# Allegro board SG2042_EVB_V2_0.brd (continued)
## Placement (name value [footprint] x y rotation side) (continued)
R2579  10R_1%  [R0402]  122.48 85.09 90 top
R2580  100K_1%_NC  [R0402]  120.75 85.09 90 top
R2582  100R_1%  [R0402]  132.28 82.19 270 top
R2583  0R_1%  [R0402]  122.48 83.03 270 top
R2584  1K_1%  [R0402]  121.18 82.6 180 top
R2585  10K_1%  [R0402]  121.62 85.09 90 top
R2586  13K_1%_NC  [R0402]  121.59 81.31 90 top
R2587  0R_1%  [R0402]  118.14 46.66 90 top
R2588  0R_1%  [R0402]  119 46.66 90 top
R12453  0R_1%  [R0402]  25.73 171.17 180 top
R12454  0R_1%  [R0402]  25.73 168.94 180 top
R12455  0R_1%  [R0402]  25.73 170.31 180 top
R12456  0R_1%  [R0402]  25.73 168.07 180 top
R12484  10R_1%  [R0402]  223.57 142.9 270 top
R12485  100K_1%_NC  [R0402]  225.3 142.9 270 top
R12486  100R_1%  [R0402]  213.79 145.8 90 top
R12487  0R_1%  [R0402]  223.57 144.96 90 top
R12488  1K_1%  [R0402]  224.87 145.39 0 top
R12489  10K_1%  [R0402]  224.43 142.9 270 top
R12490  13K_1%_NC  [R0402]  224.46 146.69 270 top
R12491  0R_1%  [R0402]  162.74 91.49 180 top
R12492  0R_1%  [R0402]  131.67 89.46 0 top
R12493  12.1K_1%  [R0402]  139.04 91.82 270 bottom
R12494  12.1K_1%  [R0402]  152.65 79.81 90 bottom
R12495  22  [R0402]  134.24 62.2 0 top
R12496  0R_1%  [R0402]  135.28 94.64 180 top
R12497  22  [R0402]  134.24 60.93 0 top
R12498  0R_1%  [R0402]  135.28 95.5 180 top
R12499  22  [R0402]  143.23 59.66 0 top
R12500  22  [R0402]  143.23 58.39 0 top
R12501  4.7K_1%  [R0402]  161.44 91.08 270 top
R12502  22  [R0402]  132.54 60.93 180 top
R12503  0R_1%  [R0402]  156.03 94.06 90 top
R12504  0R_1%  [R0402]  156.9 94.06 90 top
R12505  1K  [R0402]  138.61 90.55 0 bottom
R12506  4.7K_1%  [R0402]  161.44 89.05 90 top
R12507  1.3K_1%  [R0402]  156.9 95.76 270 top
R12508  1.3K_1%  [R0402]  156.03 95.76 270 top
R12509  10K_1%  [R0402]  142.8 60.93 270 top
R12510  100K_1%  [R0402]  132.54 59.21 0 top
R12512  100K_1%  [R0402]  144.93 60.53 0 top
R12513  100K_1%  [R0402]  160.12 86.79 0 top
R12514  10K_1%  [R0402]  134.24 59.66 0 top
R12517  100K_1%  [R0402]  133.6 72.77 180 top
R12518  100K_1%  [R0402]  131.52 72.77 180 top
R12519  10K_1%  [R0402]  143.66 60.93 90 top
R12521  0R_1%  [R0402]  132.54 60.07 180 top
R12522  1K  [R0402]  131.27 60.5 90 top
R12523  1K  [R0402]  131.52 71.91 180 top
R12524  1K  [R0402]  133.6 71.91 180 top
R12526  1K  [R0402]  160.12 85.93 0 top
R12527  1K  [R0402]  144.93 59.66 0 top
R12531  0R_1%  [R0402]  57.56 108.56 270 top
R12536  0R_1%  [R0402]  57.56 67.92 270 top
R12539  0R_1%  [R0402]  56.39 47.6 270 top
R12552  0R_1%  [R0402]  220.88 78.79 270 top
R12553  0R_1%  [R0603]  216.38 72.42 0 top
R12554  1K_1%  [R0402]  220.01 78.79 270 top
R12555  4.7K_1%  [R0402]  221.28 76.63 180 top
R12556  4.7K_1%  [R0402]  221.28 77.5 0 top
R12557  4.7K_1%  [R0402]  222.53 81.18 0 top
R12558  4.7K_1%  [R0402]  224.97 77.09 0 top
R12559  150K_1%  [R0402]  238.56 93.09 90 top
R12560  4.7K_1%  [R0402]  237.06 97.49 270 top
R12561  22  [R0402]  224.97 76.23 180 top
R12562  12.1K_1%  [R0402]  222.3 65.96 270 top
R12564  12.1K_1%  [R0402]  227.43 74.6 0 top
R12568  4.7K_1%  [R0402]  164.08 45.77 180 top
R12569  4.7K_1%  [R0402]  164.08 44.91 180 top
R12570  4.7K_1%  [R0402]  164.08 44.04 180 top
R12571  4.7K_1%  [R0402]  164.08 42.32 180 top
R12572  22  [R0402]  164.08 41.45 180 top
R12573  22  [R0402]  164.08 40.59 180 top
R12574  240R_1%  [R0402]  162.08 27.48 180 top
R12577  0R_1%  [R0402]  164.08 43.18 180 top
R12578  100K_1%  [R0402]  20.57 149.28 90 top
R12579  4.7K_1%  [R0402]  30.38 140.59 180 top
R12580  4.7K_1%  [R0402]  19.81 143.13 0 top
R12581  4.7K_1%  [R0402]  30.38 139.32 180 top
R12584  0R_1%  [R0402]  21.44 155.73 270 top
R12585  4.7K_1%  [R0402]  22 145.31 90 top
R12586  4.7K_1%  [R0402]  23.72 145.31 90 top
R12587  4.7K_1%  [R0402]  22.86 145.31 90 top
R12588  4.7K_1%  [R0402]  24.59 145.31 90 top
R12589  22  [R0402]  20.27 145.31 90 top
R12590  22  [R0402]  21.13 145.31 90 top
R12591  22  [R0402]  19.25 145.31 90 top
R12592  4.7K_1%  [R0402]  19.81 141.86 180 top
R12593  10K_1%  [R0402]  19.81 140.59 180 top
R12594  1.6K_1%  [R0402]  30.02 145.82 90 top
R12595  4.7K_1%  [R0402]  25.45 145.31 90 top
R12596  4.7K_1%  [R0402]  27.18 145.31 90 top
R12597  4.7K_1%  [R0402]  26.31 145.31 90 top
R12598  4.7K_1%  [R0402]  28.04 145.31 90 top
R12599  22  [R0402]  29.59 144.53 0 top
R12600  0R_1%  [R0402]  19.79 210.41 180 top
R12601  0R_1%  [R0402]  26.59 210.41 180 bottom
R12602  0R_1%  [R0402]  19.79 211.28 180 top
R12603  0R_1%  [R0402]  26.59 211.28 180 bottom
R12604  0R_1%  [R0402]  19.79 216.41 180 top
R12605  0R_1%  [R0402]  26.59 216.41 180 bottom
R12606  0R_1%  [R0402]  19.79 217.27 180 top
R12607  0R_1%  [R0402]  26.59 217.27 180 bottom
R12608  0R_1%  [R0402]  20.52 214.27 180 top
R12609  0R_1%  [R0402]  27.33 213.41 180 bottom
R12610  0R_1%  [R0402]  20.52 213.41 180 top
R12611  0R_1%  [R0402]  27.33 214.27 180 bottom
R12612  FUSE-2A  [R0805]  22.91 221.18 180 top
R12613  FUSE-2A  [R0805]  22.91 225.48 180 top
R12614  100K_1%  [R0402]  29.46 219.71 270 top
R12615  100K_1%  [R0402]  29.46 224 270 top
R12616  6.8K_1%  [R0402]  23.7 219.3 180 top
R12617  6.8K_1%  [R0402]  23.7 223.6 180 top
R12662  100K_1%_NC  [R0402]  183.01 68.68 0 top
R12663  1K_1%  [R0402]  180.39 67.82 180 top
R12664  10K_1%  [R0402]  177.98 75.9 180 top
R12665  4.7K_1%  [R0402]  181.28 68.68 0 top
R12666  15K_1%  [R0402]  181.69 67.39 270 top
R12667  0R_1%  [R0402]  178.56 67.39 90 top
R12668  10K_1%  [R0402]  183.01 67.82 180 top
R12669  5.6K_1%  [R0402]  177.7 67.39 90 top
R12670  10R_1%  [R0402]  212.67 75.41 0 top
R12671  100K_1%_NC  [R0402]  212.67 77.14 0 top
R12672  100R_1%  [R0402]  209.8 65.61 180 top
R12673  0R_1%  [R0402]  210.62 75.41 180 top
R12674  1K_1%  [R0402]  210.19 76.71 90 top
R12675  10K_1%  [R0402]  212.67 76.28 0 top
R12676  13K_1%_NC  [R0402]  208.89 76.3 0 top
R12677  10K_1%  [R0402]  134.75 38.66 0 bottom
R12678  0R_1%  [R0402]  134.75 38.66 0 top
R12679  4.7K_1%  [R0402]  110.44 67.64 0 bottom
R12680  4.7K_1%  [R0402]  110.44 68.5 0 bottom
R12681  4.7K_1%  [R0402]  110.44 65.91 0 bottom
R12682  4.7K_1%  [R0402]  110.44 66.78 0 bottom
R12683  4.7K_1%  [R0402]  110.44 64.19 0 bottom
R12684  4.7K_1%  [R0402]  110.44 65.05 0 bottom
R12685  4.7K_1%  [R0402]  113.89 62.46 90 bottom
R12686  4.7K_1%  [R0402]  113.03 62.46 90 bottom
R12687  4.7K_1%  [R0402]  115.62 62.46 90 bottom
R12688  4.7K_1%  [R0402]  114.76 62.46 90 bottom
R12689  4.7K_1%  [R0402]  118.21 64.19 180 bottom
R12690  4.7K_1%  [R0402]  118.21 63.32 180 bottom
R12691  4.7K_1%  [R0402]  118.21 65.91 180 bottom
R12692  4.7K_1%  [R0402]  118.21 65.05 180 bottom
R12693  4.7K_1%  [R0402]  118.21 67.64 180 bottom
R12694  4.7K_1%  [R0402]  118.21 66.78 180 bottom
R12695  4.7K_1%  [R0402]  118.21 68.5 180 top
R12696  4.7K_1%  [R0402]  113.46 70.23 270 top
R12697  4.7K_1%  [R0402]  111.73 70.23 90 top
R12698  4.7K_1%  [R0402]  116.05 70.23 90 top
R12699  4.7K_1%  [R0402]  115.19 70.23 90 top
R12700  22  [R0402]  110.44 67.64 180 top
R12701  22  [R0402]  110.44 68.5 180 top
R12702  22  [R0402]  110.44 65.91 180 top
R12703  22  [R0402]  110.44 66.78 180 top
R12704  22  [R0402]  110.44 64.19 180 top
R12705  22  [R0402]  110.44 65.05 180 top
R12706  22  [R0402]  113.89 62.46 270 top
R12707  22  [R0402]  113.03 62.46 270 top
R12708  22  [R0402]  115.62 62.46 270 top
R12709  22  [R0402]  114.76 62.46 270 top
R12710  22  [R0402]  118.21 64.19 0 top
R12711  22  [R0402]  118.21 63.32 0 top
R12712  22  [R0402]  118.21 65.91 0 top
R12713  22  [R0402]  118.21 65.05 0 top
R12714  22  [R0402]  118.21 67.64 0 top
R12715  22  [R0402]  118.21 66.78 0 top
R12716  22  [R0402]  11.53 160.3 0 top
R12717  22  [R0402]  11.53 161.16 0 top
R12718  100K_1%  [R0402]  133.6 73.89 180 top
R12719  100K_1%  [R0402]  129.44 72.77 180 top
R12720  100K_1%  [R0402]  129.44 73.89 180 top
R12721  1K  [R0402]  129.44 74.75 180 top
R12722  1K  [R0402]  133.6 74.75 180 top
R12723  1K  [R0402]  129.44 71.91 180 top
R12724  4.7K_1%  [R0402]  226.87 97.49 270 top
R12725  150K_1%  [R0402]  228.37 93.09 90 top
R12727  10K_1%  [R0402]  226.52 295.33 180 top
R12728  10K_1%  [R0402]  226.39 289.99 180 top
R12730  1K_1%  [R0402]  226.39 290.86 0 top
R12731  10K_1%  [R0402]  204.6 12.85 0 top
R12732  10K_1%  [R0402]  204.72 18.19 0 top
R12733  1K_1%  [R0402]  204.72 17.32 180 top
R12734  10K_1%  [R0402]  182.8 12.85 0 top
R12735  10K_1%  [R0402]  182.93 18.19 0 top
R12736  1K_1%  [R0402]  182.93 17.32 180 top
R12737  10K_1%  [R0402]  223.93 289.99 0 top
R12738  10K_1%  [R0402]  224.05 295.33 0 top
R12739  1K_1%  [R0402]  224.05 294.46 180 top
R12740  10K_1%  [R0402]  207.19 18.19 180 top
R12741  10K_1%  [R0402]  207.06 12.85 180 top
R12742  1K_1%  [R0402]  207.06 13.72 0 top
R12743  10K_1%  [R0402]  185.39 18.19 180 top
R12744  10K_1%  [R0402]  185.27 12.85 180 top
R12745  1K_1%  [R0402]  185.27 13.72 0 top
R12746  4.7K_1%  [R0402]  122.43 24.61 90 bottom
R12747  200R_1%  [R0402]  117.91 11.3 180 top
R12750  4.7K_1%  [R0402]  123.29 24.61 90 bottom
R12751  200R_1%  [R0402]  121.31 11.3 180 top
R12754  4.7K_1%  [R0402]  124.16 24.61 90 bottom
R12755  200R_1%  [R0402]  124.71 11.3 180 top
R12758  4.7K_1%  [R0402]  125.02 24.61 90 bottom
R12759  200R_1%  [R0402]  128.12 11.3 180 top
R12760  4.7K_1%  [R0402]  114.63 11.3 180 top
R12761  4.7K_1%  [R0402]  107.82 11.3 180 top
R12762  4.7K_1%  [R0402]  111.23 11.3 180 top
R12763  4.7K_1%  [R0402]  104.42 11.3 180 top
R12764  200R_1%  [R0402]  115.57 15.77 0 top
R12765  200R_1%  [R0402]  108.76 15.77 0 top
R12766  200R_1%  [R0402]  112.17 15.77 0 top
R12767  200R_1%  [R0402]  105.36 15.77 0 top
R12768  4.7K_1%  [R0402]  117.91 12.17 0 top
R12769  4.7K_1%  [R0402]  121.31 12.17 0 top
R12770  4.7K_1%  [R0402]  124.71 12.17 0 top
R12771  4.7K_1%  [R0402]  128.12 12.17 0 top
R12784  0R_1%  [R0402]  19.79 192.51 180 top
R12785  0R_1%  [R0402]  26.59 192.51 180 bottom
R12786  0R_1%  [R0402]  19.79 193.37 180 top
R12787  0R_1%  [R0402]  26.59 193.37 180 bottom
R12788  0R_1%  [R0402]  19.79 198.5 180 top
R12789  0R_1%  [R0402]  26.59 198.53 180 bottom
R12790  0R_1%  [R0402]  19.79 199.36 180 top
R12791  0R_1%  [R0402]  26.59 199.39 180 bottom
R12792  0R_1%  [R0402]  20.52 196.39 180 top
R12793  0R_1%  [R0402]  27.33 195.53 180 bottom
R12794  0R_1%  [R0402]  20.52 195.53 180 top
R12795  0R_1%  [R0402]  27.33 196.39 180 bottom
R12796  FUSE-2A  [R0805]  22.91 203.28 180 top
R12797  FUSE-2A  [R0805]  22.91 207.57 180 top
R12798  100K_1%  [R0402]  29.46 201.8 270 top
R12799  100K_1%  [R0402]  29.46 206.1 270 top
R12800  6.8K_1%  [R0402]  23.7 201.4 180 top
R12801  6.8K_1%  [R0402]  23.7 205.69 180 top
R12807  100K_1%  [R0402]  214.58 159.74 90 top
R12808  4.7K_1%  [R0402]  224.26 151.05 180 top
R12809  4.7K_1%  [R0402]  213.69 153.59 0 top
R12810  4.7K_1%  [R0402]  224.26 149.78 180 top
R12815  4.7K_1%  [R0402]  216 155.78 90 top
R12816  0R_1%  [R0402]  215.44 166.19 270 top
R12817  4.7K_1%  [R0402]  217.73 155.78 90 top
R12818  4.7K_1%  [R0402]  216.87 155.78 90 top
R12819  4.7K_1%  [R0402]  218.59 155.78 90 top
R12820  22  [R0402]  214.27 155.78 90 top
R12822  22  [R0402]  215.14 155.78 90 top
R12823  22  [R0402]  213.26 155.78 90 top
R12825  4.7K_1%  [R0402]  213.69 152.32 180 top
R12826  10K_1%  [R0402]  213.69 151.05 180 top
R12827  1.6K_1%  [R0402]  224.03 156.29 90 top
R12828  4.7K_1%  [R0402]  219.46 155.78 90 top
R12829  4.7K_1%  [R0402]  221.18 155.78 90 top
R12830  4.7K_1%  [R0402]  220.32 155.78 90 top
R12831  4.7K_1%  [R0402]  222.05 155.78 90 top
R12832  22  [R0402]  223.6 154.99 0 top
R12833  FUSE-2A  [R0805]  229.03 149.05 90 top
R12834  100K_1%  [R0402]  227.56 142.49 180 top
R12835  6.8K_1%  [R0402]  227.15 148.26 90 top
R12836  0R_1%  [R0402]  194.54 194.16 180 top
R12837  0R_1%  [R0402]  195.96 174.04 180 top
R12838  0_NC  [R0402]  196.67 177.9 90 top
R12839  10K_1%_NC  [R0402]  195.81 182.17 270 top
R12840  5.36K  [R0402]  197.1 179.17 0 top
R12841  10K_1%  [R0402]  195.81 178.77 90 top
R12842  10K_1%  [R0402]  195.81 180.47 270 top
R12843  68K 1%  [R0402]  196.22 175.77 0 top
R12844  2.49K  [R0402]  197.51 175.34 270 top
R12845  0R_1%  [R0402]  45.03 194.16 180 top
R12846  10K_1%_NC  [R0402]  187.2 192.1 0 top
R12847  4.7K_1%  [R0402]  187.2 191.24 180 top
R12848  10R_1%  [R0402]  186.77 193.37 270 top
R12849  30K_1%  [R0402]  197.1 190.8 0 top
R12850  75K_1%  [R0402]  195.81 190.35 90 top
R12851  180K_1%  [R0402]  196.24 189.08 0 top
R12852  10K_1%_NC  [R0402]  195.81 186.94 270 top
R12853  0R_1%  [R0402]  194.94 186.94 270 top
R12854  0R_1%  [R0402]  187.63 189.94 270 top
R12855  10K_1%  [R0402]  186.77 188.24 270 top
R12856  15K_1%  [R0402]  196.24 188.21 180 top
R12857  10K_1%_NC  [R0402]  187.63 188.24 270 top
R12858  4.7K_1%  [R0402]  37.69 191.24 180 top
R12859  10K_1%_NC  [R0402]  37.69 192.1 0 top
R12860  0R_1%  [R0402]  47.68 174.04 180 top
R12861  30K_1%  [R0402]  47.6 190.8 0 top
R12862  10R_1%  [R0402]  37.26 193.37 270 top
R12863  75K_1%  [R0402]  46.3 190.35 90 top
R12864  0_NC  [R0402]  48.39 177.9 90 top
R12865  10K_1%_NC  [R0402]  47.52 182.17 270 top
R12866  5.36K  [R0402]  48.82 179.17 0 top
R12867  180K_1%  [R0402]  46.74 189.08 0 top
R12868  10K_1%_NC  [R0402]  46.3 186.94 270 top
R12869  10K_1%  [R0402]  47.52 178.77 90 top
R12870  0R_1%  [R0402]  45.44 186.94 270 top
R12871  0R_1%  [R0402]  38.13 189.94 270 top
R12872  10K_1%  [R0402]  37.26 188.24 270 top
R12873  15K_1%  [R0402]  46.74 188.21 180 top
R12874  10K_1%_NC  [R0402]  38.13 188.24 270 top
R12875  10K_1%  [R0402]  48.82 181.74 0 top
R12876  10K_1%  [R0402]  47.52 180.47 270 top
R12877  68K 1%  [R0402]  47.93 175.77 0 top
R12878  2.49K  [R0402]  49.23 175.34 270 top
R12879  49.9R_1%_NC  [R0402]  60.96 108.18 180 top
R12880  49.9R_1%_NC  [R0402]  59.26 108.18 0 top
R12881  49.9R_1%_NC  [R0402]  60.96 67.54 180 top
R12882  49.9R_1%_NC  [R0402]  59.26 67.54 0 top
R12885  49.9R_1%_NC  [R0402]  60.96 47.22 180 top
R12886  49.9R_1%_NC  [R0402]  59.26 47.22 0 top
R12887  49.9R_1%_NC  [R0402]  151.26 45.26 90 top
R12888  49.9R_1%_NC  [R0402]  151.26 46.96 270 top
R12905  0R_1%  [R0402]  159.72 89.05 270 top
R12906  49.9R_1%_NC  [R0402]  229.01 66.85 180 top
R12907  49.9R_1%_NC  [R0402]  227.3 66.85 0 top
R12908  49.9R_1%_NC  [R0402]  19.43 153.92 90 top
R12909  49.9R_1%_NC  [R0402]  19.43 155.63 270 top
R12910  49.9R_1%_NC  [R0402]  213.21 164.62 90 top
R12911  49.9R_1%_NC  [R0402]  213.21 166.32 270 top
R12912  100K_1%_NC  [R0402]  217.4 203.71 90 top
R12913  1K_1%  [R0402]  218.26 201.09 270 top
R12914  10K_1%  [R0402]  210.19 198.68 270 top
R12915  4.7K_1%  [R0402]  217.4 201.98 90 top
R12916  15K_1%  [R0402]  218.69 202.39 0 top
R12917  0R_1%  [R0402]  218.69 199.26 180 top
R12918  10K_1%  [R0402]  218.26 203.71 270 top
R12919  5.6K_1%  [R0402]  218.69 198.4 180 top
R12920  22  [R0402]  42.98 254.94 90 bottom
R12921  22  [R0402]  42.11 254.94 90 bottom
R12922  10K_1%  [R0402]  19.89 115.37 90 top
R12923  0R_1%  [R0402]  112.7 34.32 0 top
R12924  0R_1%  [R0402]  112.7 33.45 0 top
R12925  10K_1%  [R0402]  45.87 142.19 180 top
R12926  10K_1%  [R0402]  45.75 136.86 180 top
R12927  1K_1%  [R0402]  45.75 137.72 0 top
R12928  10K_1%  [R0402]  43.28 136.86 0 top
R12929  10K_1%_NC  [R0402]  43.41 142.19 0 top
R12930  1K_1%  [R0402]  43.41 141.33 180 top
R12931  0R_1%  [R0402]  59.68 68.82 270 top
R12932  0R_1%  [R0402]  59.68 109.46 270 top
R12934  0R_1%  [R0402]  60.54 68.82 270 top
R12935  0R_1%  [R0402]  227.72 65.57 90 top
R12936  0R_1%  [R0402]  228.59 65.57 90 top
R12937  0R_1%  [R0402]  59.68 48.5 270 top
R12938  0R_1%  [R0402]  60.54 109.46 270 top
R12939  0R_1%  [R0402]  60.54 48.5 270 top
R12943  0R_1%  [R0402]  144.89 46.55 0 top
R12944  0R_1%  [R0402]  144.89 45.68 0 top
R12945  0R_1%  [R0402]  186.41 89.61 90 top
R12946  0R_1%  [R0402]  185.55 89.61 90 top
R12947  1K  [R0402]  37.41 282.98 0 top
R12948  1K  [R0402]  152.55 287.71 180 top
R12949  1K  [R0402]  36.98 276.53 270 top
R12950  1K  [R0402]  37.41 282.12 0 top
R12951  240R_1%  [R0402]  199.11 96.85 0 top
R12952  22R_1%  [R0402]  196.6 88.27 0 top
R12953  0R_1%  [R0402]  199.11 92.05 0 top
R12954  4.7K_1% NC  [R0402]  181.03 112.06 90 top
R12955  470R  [R0402]  181.53 106.1 0 bottom
R12956  0R_1%  [R0402]  200.13 106.5 0 top
R12957  4.7K_1%  [R0402]  200.13 105.64 180 top
R12958  10K_1%  [R0402]  194.77 104.65 90 bottom
R12959  402ohm  [R0402]  176.66 92.43 180 top
R12960  402ohm  [R0402]  182.68 89.61 270 top
R12961  10K_1%  [R0402]  195.63 104.65 270 bottom
R12962  4.7K_1%  [R0402]  200.84 98.17 270 top
R12963  4.7K_1%  [R0402]  200.84 99.9 90 top
R12964  4.7K_1%  [R0402]  204.29 99.9 90 top
R12965  4.7K_1%  [R0402]  204.29 98.17 270 top
R12966  4.7K_1%  [R0402]  199.11 101.24 0 top
R12967  4.7K_1% NC  [R0402]  199.11 100.38 0 top
R12968  604R_1%  [R0402]  187.66 89.61 270 top
R12969  82R_1%  [R0402]  187.66 87.91 270 top
R12970  82R_1%  [R0402]  187.66 86.21 270 top
R12971  0R_1%  [R0402]  186.69 105.56 90 bottom
R12972  4.7K_1%  [R0402]  199.11 97.71 0 top
R12973  0R_1%  [R0402]  187.55 107.37 270 bottom
R12974  4.7K_1%  [R0402]  181.89 112.06 90 top
R12975  0R_1%  [R0402]  188.85 78.51 180 top
R12976  4.7K_1%  [R0402]  182.75 112.06 270 top
R12977  10R_1%  [R0402]  215.09 98.96 270 top
R12978  100K_1%_NC  [R0402]  216.81 98.96 270 top
R12979  75K_1%  [R0402]  215.09 101.02 90 top
R12980  40.2K_1%  [R0402]  216.38 101.45 0 top
R12981  10K_1%  [R0402]  215.95 98.96 270 top
R12982  13K_1%  [R0402]  215.98 102.74 270 top
R12983  10R_1%  [R0402]  178 81.64 90 top
R12984  100K_1%_NC  [R0402]  176.28 81.64 90 top
R12985  75K_1%  [R0402]  178 79.58 270 top
R12986  40.2K_1%  [R0402]  176.71 79.15 180 top
R12987  10K_1%  [R0402]  177.14 81.64 90 top
R12988  13K_1%  [R0402]  177.11 77.85 90 top
R12989  10R_1%  [R0402]  168.68 110.21 0 top
R12990  100K_1%_NC  [R0402]  168.68 111.94 0 top
R12991  75K_1%  [R0402]  166.62 110.21 180 top
R12992  40.2K_1%  [R0402]  166.19 111.51 90 top
R12993  10K_1%  [R0402]  168.68 111.07 0 top
R12994  13K_1%  [R0402]  164.9 111.1 0 top
R12995  0R_1%  [R0402]  118.87 24.61 90 top
R12996  0R_1%  [R0402]  119.74 24.61 90 top
R12997  0R_1%  [R0402]  120.6 24.61 90 top
R12998  4.7K_1%  [R0402]  192.91 119.68 90 top
R12999  22  [R0402]  195.4 115.98 180 top
R13000  22  [R0402]  195.86 114.71 90 top
R13001  22  [R0402]  195 114.71 90 top
R13002  22  [R0402]  194.13 114.71 90 top
R13003  22  [R0402]  193.27 114.71 90 top
R13004  22  [R0402]  191.9 112.06 90 top
R13005  22  [R0402]  191.03 112.06 90 top
R13006  22  [R0402]  190.3 114.02 90 top
R13007  22  [R0402]  189.43 114.02 90 top
R13008  22  [R0402]  188.7 112.06 90 top
R13009  22  [R0402]  187.83 112.06 90 top
R13010  22  [R0402]  187.1 114.02 90 top
R13011  22  [R0402]  186.23 114.02 90 top
R13012  8.07K  [R0402]  195 112.06 90 top
R13013  8.07K  [R0402]  194.13 112.06 90 top
R13014  8.07K  [R0402]  195.86 112.06 90 top
R13015  8.07K  [R0402]  193.27 112.06 90 top
R13016  FUSE-2A  [R0805]  25.93 189.46 180 top
R13017  100K_1%  [R0402]  32.49 187.99 270 top
R13018  6.8K_1%  [R0402]  26.72 187.58 180 top
R13019  FUSE-2A  [R0805]  25.93 180.87 180 top
R13020  100K_1%  [R0402]  32.49 179.4 270 top
R13021  6.8K_1%  [R0402]  26.72 178.99 180 top
R13022  FUSE-2A  [R0805]  25.93 185.17 180 top
R13023  100K_1%  [R0402]  32.49 183.69 270 top
R13024  6.8K_1%  [R0402]  26.72 183.29 180 top
R13025  0R_1%  [R0402]  211.92 165.9 0 top
R13026  0R_1%  [R0402]  211.92 165.04 0 top
R13027  0R_1%  [R0402]  18.15 155.21 0 top
R13028  0R_1%  [R0402]  18.15 154.34 0 top
R13029  0R_1%  [R0402]  134.75 30.02 0 top
R13030  100K_1%  [R0402]  161.75 87.2 270 top
R13031  1K  [R0402]  162.61 87.2 270 top
SATA_P1  HF0804E  [CON-THD4-102X58-FAN]  239.19 77.42 90 top
SATA_P2  HF0804E  [CON-THD4-102X58-FAN]  239.19 64.24 90 top
SM768_GPIO1  40MIL NC  [TP40]  207.42 106.43 0 top
SM768_RXD1  40MIL NC  [TP40]  207.42 92.38 0 top
SM768_TXD1  40MIL NC  [TP40]  207.42 90.86 0 top
SMCL1  -  [TP30]  218.95 79.17 270 top
SW201  SW KEY-SPST  [SW2-050-150X105-H141]  236.37 183.16 90 top
SW202  DSHP06TSGER  [SW-6BI]  202.41 127.99 90 top
T1  G2405CG  [SOP24-50-1218-062]  14.4 257.43 180 top
T2  T_VMON_P  [TP30]  149.78 284.68 0 top
T3  T_VMON_N  [TP30]  148.74 284.68 0 top
T4  T_PWR_BUTTON  [TP30]  189.33 278.66 0 top
T5  T_SYS_RST_X  [TP30]  222.53 176.91 270 top
T6  EMMC_PWR_EN  [TP30]  211.23 280.82 0 top
T7  SDIO_RST_X  [TP30]  19.84 286.03 0 top
T8  EMMC_CLK  [TP30]  211.23 275.44 0 top
T9  PIN6  [TP30]  183.95 237.06 0 top
T10  PIN1  [TP30]  138.25 209.55 180 bottom
T11  PIN2  [TP30]  137.25 204.55 180 bottom
T12  PIN3  [TP30]  137.25 205.55 180 bottom
T13  PIN4  [TP30]  137.25 209.55 180 bottom
T14  PIN5  [TP30]  137.25 208.55 180 bottom
T15  PIN7  [TP30]  183.95 238.28 0 top
T16  PIN10  [TP30]  137.25 233.55 180 bottom
T17  PIN11  [TP30]  137.25 234.55 180 bottom
T18  PIN12  [TP30]  137.25 235.55 180 bottom
T19  PIN13  [TP30]  137.25 237.55 180 bottom
T20  PIN14  [TP30]  138.25 237.55 180 bottom
T21  PIN8  [TP30]  49.56 237.06 0 top
T22  PIN15  [TP30]  95.25 209.55 180 bottom
T23  PIN16  [TP30]  96.25 204.55 180 bottom
T24  PIN17  [TP30]  96.25 205.55 180 bottom
T25  PIN18  [TP30]  96.25 209.55 180 bottom
T26  PIN19  [TP30]  96.25 208.55 180 bottom
T27  PIN9  [TP30]  49.56 238.28 0 top
T28  PIN20  [TP30]  96.25 233.55 180 bottom
T29  PIN21  [TP30]  96.25 234.55 180 bottom
T30  PIN22  [TP30]  96.25 235.55 180 bottom
T31  PIN23  [TP30]  96.25 237.55 180 bottom
T32  PIN24  [TP30]  95.25 237.55 180 bottom
T33  PIN43  [TP30]  151.1 287.71 0 top
T34  PIN26  [TP30]  152.12 286.08 0 top
T35  PIN51  [TP30]  37.82 281.13 0 top
T36  PIN50  [TP30]  37.82 283.97 0 top
T37  PIN25  [TP30]  153.14 286.08 0 top
T38  PIN27  [TP30]  151.1 286.08 0 top
T39  PIN28  [TP30]  84.76 284.68 0 top
T43  test1  [TP30]  26.57 263.7 0 top
T51  T_3.3V_AUX  [TP30]  212.17 220.93 270 top
T53  T_VDD_PLL_0V8  [TP30]  120.75 164.74 270 top
T57  T_VDD_PCIE_H_1V8  [TP30]  126.95 159.28 270 top
T58  T_VDDIO18  [TP30]  219.46 256.08 0 top
T59  T_VDDIO33  [TP30]  219.43 262.71 0 top
T62  DDR23_VTT_0V6  [TP30]  43.43 219.23 0 top
T63  DDR01_VTT_0V6  [TP30]  192.74 219.23 0 top
T75  T_3.3V_AUX  [TP30]  28.3 115.04 180 top
T77  T_VDD_PLL_0V8  [TP30]  130.05 84.76 180 top
T78  T_VDD_PLL_0V8  [TP30]  216 143.23 0 top
T79  TP100  [TP30]  45.62 250.22 180 top
T80  TP100  [TP30]  45.62 260.38 180 top
T81  TP100  [TP30]  45.62 254.28 180 top
T82  TP100  [TP30]  45.62 258.34 180 top
T83  TP100  [TP30]  45.62 252.25 180 top
T84  TP100  [TP30]  45.62 256.31 180 top
T85  TP100  [TP30]  45.62 263.42 180 top
T86  TP100  [TP30]  45.62 273.58 180 top
T87  TP100  [TP30]  45.62 265.46 180 top
T88  TP100  [TP30]  45.62 267.49 180 top
T89  TP100  [TP30]  45.62 271.55 180 top
T90  TP100  [TP30]  45.62 269.52 180 top
T91  PIN46  [TP30]  221.67 229.84 0 top
T92  T_VDD_PLL_0V8  [TP30]  212.34 67.84 90 top
T93  PIN47  [TP30]  222.5 231.8 0 top
T94  DDR01_VPP_2V5  [TP30]  165.23 72.19 0 top
T97  test1  [TP30]  31.6 287.05 0 top
T98  DDR01_VPP_2V5  [TP30]  213.89 184.73 0 top
T99  T_VDDIO33  [TP30]  207.52 99.29 0 top
T100  T_VDDIO33  [TP30]  185.57 81.31 180 top
T101  T_VDDIO33  [TP30]  168.35 102.64 90 top
T102  T_VDDIO33  [TP30]  187.76 120.5 0 top
T103  T_VDDIO33  [TP30]  187.17 121.49 0 top
T104  T_VDDIO33  [TP30]  191.97 120.5 0 top
T105  T_VDDIO33  [TP30]  190.96 120.5 0 top
T106  T_VDDIO33  [TP30]  190.37 121.49 0 top
T107  T_VDDIO33  [TP30]  189.36 121.49 0 top
T108  T_VDDIO33  [TP30]  188.77 120.5 0 top
T109  T_VDDIO33  [TP30]  186.16 121.49 0 top
TP30  MCU_NRST  [TP30]  137.72 28.35 180 bottom
TP31  MCU_SWDIO  [TP30]  137.72 30.89 180 bottom
TP32  MCU_SWCLK  [TP30]  137.72 33.43 180 bottom
TP33  GND  [TP30]  137.72 35.97 180 bottom
TP34  T_VDD_MCU  [TP30]  137.72 25.81 180 bottom
TP35  -  [TP60]  20.42 157.68 0 top
TP36  -  [TP60]  22.45 157.68 0 top
TP37  -  [TP60]  19.02 149.28 0 top
TP38  -  [TP60]  213.03 159.74 0 top
TP39  -  [TP60]  216.46 168.15 0 top
TP40  -  [TP60]  214.43 168.15 0 top
TP41  30MIL NC  [TP30]  168.35 92.86 0 top
TP42  30MIL NC  [TP30]  168.35 113.74 0 top
TP43  30MIL NC  [TP30]  207.42 93.9 0 top
TP44  30MIL NC  [TP30]  207.42 96.95 0 top
TP45  30MIL NC  [TP30]  207.42 94.92 0 top
TP46  30MIL NC  [TP30]  207.42 95.94 0 top
U1  SG2042-0822  [BGA3044-100-5757]  116.75 221.05 0 top
U2  THGBMHG8C2LBAIL  [VFBGA153]  218.95 277.14 0 top
U5  dio7299  [BGA4-20-0202]  21.56 278.49 0 top
U7  RTL8211FD-CG  [QFN40-040-5050]  29.59 267.56 0 top
U11  CT7451  [DFN8-050-2020]  132.08 23.85 90 top
U12  NXS0108PW  [TXS0108E]  220.75 127.99 180 top
U13  dio7299  [BGA4-20-0202]  116.54 173.53 180 top
U14  NXS0108PW  [TXS0108E]  220.75 109.5 180 top
U17  LMK00338RTAT  [WQFN40-050-6161]  108.13 109.91 180 top
U19  MP1653GTF  [SOT563-6-H06]  121.56 158.88 180 top
U28  MP1653GTF  [SOT563-6-H06]  127.76 153.42 180 top
U29  IS6606  [QFN21-040-3040-H009]  191.64 176.73 180 top
U31  MP1653GTF  [SOT563-6-H06]  225.3 256.9 270 top
U47  SQ24335DBD  [DFN10-050-3030-H075B]  192.2 226.39 90 top
U56  SQ24335DBD  [DFN10-050-3030-H075B]  42.82 226.39 90 top
U60  SQ29020VDC  [DFN19-050-3040-H075]  114.99 149.15 0 top
U202  ISL68127IRAZ-T  [QFN48-040-6060B]  200.28 295.94 180 top
U805  CP2102  [QFN-28_CP2102]  16 160.99 0 top
U806  NXS0108PW  [TXS0108E]  195.99 236.83 90 top
U807  NXS0108PW  [TXS0108E]  209.55 239.32 0 top
U808  MP1653GTF  [SOT563-6-H06]  212.98 215.09 180 top
U813  GD25LB512MEYIGR  [DFN8-127-8060-H008]  207.24 256.79 270 top
U814  NXS0108PW  [TXS0108E]  39.95 237.69 180 top
U816  MP1653GTF  [SOT563-6-H06]  225.3 263.52 270 top
U2001  DS1307ZN+  [SOP8-127-4050]  20.6 65.53 0 top
U2003  NXS0108PW  [TXS0108E]  39.95 251.87 180 top
U2004  TP199A2T-CR  [SOT363-6]  225.43 229.62 90 top
U2005  TP199A2T-CR  [SOT363-6]  225.15 233.25 0 top
U2006  NXS0108PW  [TXS0108E]  212.17 127.99 180 top
U2009  GD32E503VCT6  [QFP100-050-160X160]  123.72 35.64 270 top
U2010  NXS0108PW  [TXS0108E]  72.47 151.87 0 top
U2018  NXS0108PW  [TXS0108E]  212.17 109.5 180 top
U2019  MP1653GTF  [SOT563-6-H06]  22.45 114.22 90 top
U2027  MP1653GTF  [SOT563-6-H06]  124.18 83.95 90 top
U3234  MP1653GTF  [SOT563-6-H06]  221.87 144.04 270 top
U3235  ASMx812  [BGA492-080-210X210]  146.86 81.81 270 top
U3236  GD25Q40CSIG  [SOP8-127-5062]  138.71 60.3 270 top
U3237  ASM1061  [QFN48-050-0707-H009]  222.3 71.15 270 top
U3238  GD25Q40CSIG  [SOP8-127-5279]  227.91 80.54 270 top
U3239  SGM2534A  [DFN10-050-3030-H008]  236.32 94.11 270 top
U3241  uPD720201  [QFN68-040-8080-H090]  27.03 151.79 0 top
U3242  GD25Q40CSIG  [SOP8-127-5279]  25.1 141.22 270 top
U3243  SY6280AAAC  [SOT23-5]  26.37 220.24 270 top
U3244  SY6280AAAC  [SOT23-5]  26.37 224.54 270 top
U3251  SQ29020VDC  [DFN19-050-3040-H075]  179.55 71.86 90 top
U3252  MP1653GTF  [SOT563-6-H06]  211.53 73.71 0 top
U3253  PCA9848  [QFN24-050-4040-H010]  114.33 66.34 0 top
U3254  SGM2534A  [DFN10-050-3030-H008]  226.14 94.11 270 top
U3256  SY6280AAAC  [SOT23-5]  26.37 202.34 270 top
U3257  SY6280AAAC  [SOT23-5]  26.37 206.63 270 top
U3259  uPD720201  [QFN68-040-8080-H090]  221.03 162.26 0 top
U3260  GD25Q40CSIG  [SOP8-127-5279]  218.97 151.69 270 top
U3261  SY6280AAAC  [SOT23-5]  228.09 145.59 180 top
U3262  ISL99360FRZ-T  [QFN32-050-5050-H080]  91.16 296.77 0 top
U3263  ISL99360FRZ-T  [QFN32-050-5050-H080]  101.4 296.77 0 top
U3264  ISL99360FRZ-T  [QFN32-050-5050-H080]  111.63 296.77 0 top
U3265  ISL99360FRZ-T  [QFN32-050-5050-H080]  121.87 296.77 0 top
U3266  ISL99360FRZ-T  [QFN32-050-5050-H080]  132.11 296.77 0 top
U3267  ISL99360FRZ-T  [QFN32-050-5050-H080]  142.34 296.77 0 top
U3268  ISL99360FRZ-T  [QFN32-050-5050-H080]  103.99 144.3 180 top
U3269  MP8796B  [QFN25-040-4050-H008]  191.49 191.03 270 top
U3270  MP8796B  [QFN25-040-4050-H008]  41.99 191.03 270 top
U3271  IS6606  [QFN21-040-3040-H009]  43.36 176.73 180 top
U3272  SQ29020VDC  [DFN19-050-3040-H075]  214.22 200.25 180 top
U3273  SM768_AB_final  [BGA425-080-190X190-H014]  187.88 100.84 180 top
U3274  NXS0102DC  [SOP8-050-3120-H010]  202.56 99.03 180 top
U3275  GD25Q40CSIG  [SOP8-127-5279]  194.23 79.15 270 top
U3276  MP1653GTF  [SOT563-6-H06]  213.39 100.1 270 top
U3277  MP1653GTF  [SOT563-6-H06]  179.71 80.49 90 top
U3278  MP1653GTF  [SOT563-6-H06]  167.54 108.51 0 top
U3279  SY6280AAAC  [SOT23-5]  29.39 188.52 270 top
U3280  SY6280AAAC  [SOT23-5]  29.39 179.93 270 top
U3281  SY6280AAAC  [SOT23-5]  29.39 184.23 270 top
UNK68127_SCL  30MIL NC  [TP30]  192.25 297.79 0 top
UNK68127_SDA  30MIL NC  [TP30]  192.25 295.76 0 top
X1  SIT1602BI-22-18E-25  [X4-3225-H1_2MM]  113.82 262.74 270 top
X2  SIT1602BI-22-18E-25  [X4-3225-H1_2MM]  109.19 262.74 270 top
X3  SIT1602BI-22-18E-25  [X4-3225-H1_2MM]  126.03 262.74 270 top
X4  SIT1602BI-22-18E-25  [X4-3225-H1_2MM]  121.41 262.74 270 top
X5  20MHz  [X4-2520-H05]  230.07 69.57 270 top
X6  XTL571150-T234-367  [X4-3225-H08]  32.97 144.96 90 top
X7  XTL571150-T234-367  [X4-3225-H08]  226.97 155.42 90 top
X8  XTL571150-T234-367  [X4-3225-H08]  200 87.81 270 top
X9  SIT1602BI-22-18E-25  [X4-3225-H1_2MM]  195.4 118.82 270 top
Y1  25MHZ  [X4-3225-H08]  29.39 275.23 180 top
Y2  SML-100000-7CL4T0  [X6-5070-H014]  105.87 100.71 0 top
Y2000  32.768KHz  [X2-3215-H009]  25.43 64.82 270 top
Y2001  25MHZ  [X4-3225-H08]  132.77 95.07 90 top

## Library data of the parts
ATXPWR1 = POWER_CON_24P_0
BT2000 = BATTERY_5
C1-C17 C19-C37 C39-C57 C59-C77 C79 C80 C548-C552 C557-C565 C573 C574 C584 C586 C1157-C1165 C1167 C1168 C1171 C1183 C1184 C1186-C1196 C1217 C1218 C1231 C1232 C1420-C1422 C1424-C1426 C1448 C1450 C1452 C1454 C1456 C1458 C1460 C1462 C1533-C1538 C1557-C1567 C1569 C1674 C1737 C1738 C1743-C1746 C2000 C2001 C2010 C3149 C3151-C3155 C3159 C3161 C3174 C3175 C3231 C3232 C3234 C3272 C3289 C3290 C3294-C3297 C3302 C3303 C3307 C3309 C3310 C3314 C3323-C3326 C3334 C3357 C3362 C3508 C3509 C5666 C5667 C5687-C5755 C5760-C5765 C5788-C5794 C5805-C5807 C5836-C5839 C5842-C5848 C5850 C5851 C5853 C5854 C5859 C5860 C5862 C5863 C5868 C5869 C5894 C5895 C5920 C5921 C5924-C5933 C5981-C5993 C5997 C5998 C6011 C6013-C6015 C6017 C6018 C6020 C6021 C6023 C6024 C6026 C6039-C6048 C6062 C6063 C6094 C6095 C6100-C6104 C6124 C6129-C6132 C6135 C6138 C6140-C6142 C6155-C6201 C6206-C6214 C6216 C6222 C6228 C6236-C6251 = CAP_NP
C81-C129 C132-C179 C181-C272 C281-C364 C445-C471 C475-C499 C505-C519 C526 C531-C543 C568 C570-C572 C575 C576 C579 C580 C582 C583 C587 C590 C592 C594 C600 C602 C604 C606-C731 C756-C881 C976-C1011 C1156 C1172 C1173 C1221 C1222 C1235 C1236 C1465 C1466 C1468 C1469 C1471-C1488 C1580-C1593 C1597-C1606 C1610-C1626 C1630-C1634 C1638-C1642 C1675 C1677 C1678 C1699-C1736 C3146 C3162 C3164 C3165 C3252-C3262 C3266 C3267 C3277-C3287 C3291 C3308 C3315 C3335 C3358 C3360 C3361 C3366-C3372 C3374-C3377 C3381-C3386 C3405-C3413 C3417-C3422 C3426-C3435 C3439-C3448 C3452-C3467 C3471-C3474 C3478-C3486 C3511 C3512 C5669 C5670 C6000-C6002 C6108 C6113-C6116 C6123 C6125-C6128 C6133 C6134 C6136 C6137 C6145-C6147 C6151 C6217 C6219 C6220 C6223 C6225 C6226 C6229 C6231-C6234 = C_0.1uF
C381-C444 C5756 C5759 C5766-C5768 C5771-C5773 C5778 C5779 C5782 C5783 C5800 C5801 C5832-C5835 C5870 C5871 C5874 C5875 C5878 C5879 C5882 C5883 C5909 C5911 C5913 C5914 C6077 C6079 C6202-C6205 C6252-C6273 = CAP_NP: signal model: CAP_NP_C0201_220NF_25V_220nF_25V
C525 C577 C581 C585 C1169 C1170 C1215 C1220 C1233 C1234 C1673 C1676 C3143 C3160 C3163 C3356 C3359 C3373 C3507 C3510 C5665 C5668 C5996 C5999 C6105 C6109-C6112 C6117-C6120 C6139 C6143 C6144 C6148-C6150 C6152-C6154 C6215 C6218 C6221 C6224 C6227 C6230 C6235 = CAP NP
C566 = C0402_10nF_50V
C567 C569 = CAP NP_5
C1182 C3230 C3318 C5861 C6012 C6106 C6107 C6121 C6122 = CAP_POL
C1668 C1671 = SC0402_0p1uF_16V
C1669 = SC0402_4p7uF_6p3V
C1670 C1672 = SC0402_1uF_25V
C3304-C3306 C3311-C3313 C3378 C3379 C3414-C3416 C3423-C3425 C3436-C3438 C3449-C3451 C3468-C3470 C3475-C3477 C6016 C6019 C6022 C6025 = CT_5
C5840 C5841 C5849 C5852 C5855-C5858 = CAP_NP: signal model: CAP_NP_C0402_10NF_50V_10nF_50V
C5886 C5887 C5896-C5899 C5917 C6054 C6055 C6064-C6067 C6088 = C
C5888-C5893 C5900-C5908 C6056-C6061 C6068-C6075 C6083 = CAP
C5910 C5912 C5922 C5923 C6003-C6010 C6092 C6093 C6096-C6099 = C: signal model: CAP_NP_C0402_100NF_16V_100nF_16V
C5915 C5916 C5918 C5919 C6090 C6091 = CAP_NP: signal model: CAP_NP_C0402_100NF_16V_100nF_16V
CON1100 CON1101 = Double USBA_SLOT
D1-D13 D521-D523 = DIODE BI_DIR TRIG_0
D520 = LED
D533-D544 D567-D590 D597-D611 = DIODE_TVS
D557-D560 = DIODE_SCHOTTKY
DDR_VDDQ_A0 DDR_VDDQ_A1 DDR_VPP_A0 DDR_VPP_A1 GND0V8 GND1 GND2 P_DDR_VDD_0V8 P_VDDC SM768_GPIO1 SM768_RXD1 SM768_TXD1 T9-T39 T43 T51 T53 T57-T59 T62 T63 T75 T77 T78 T91-T94 T97-T109 TP35-TP46 UNK68127_SCL UNK68127_SDA = TP60
F400 F409-F412 F415-F418 = FUSE
FB1-FB3 FB5-FB7 FB9-FB11 FB2015 FB2046 = L_FB_0